# KiCad board data-center-rdimm-ddr5-tester.kicad_pcb (continued)
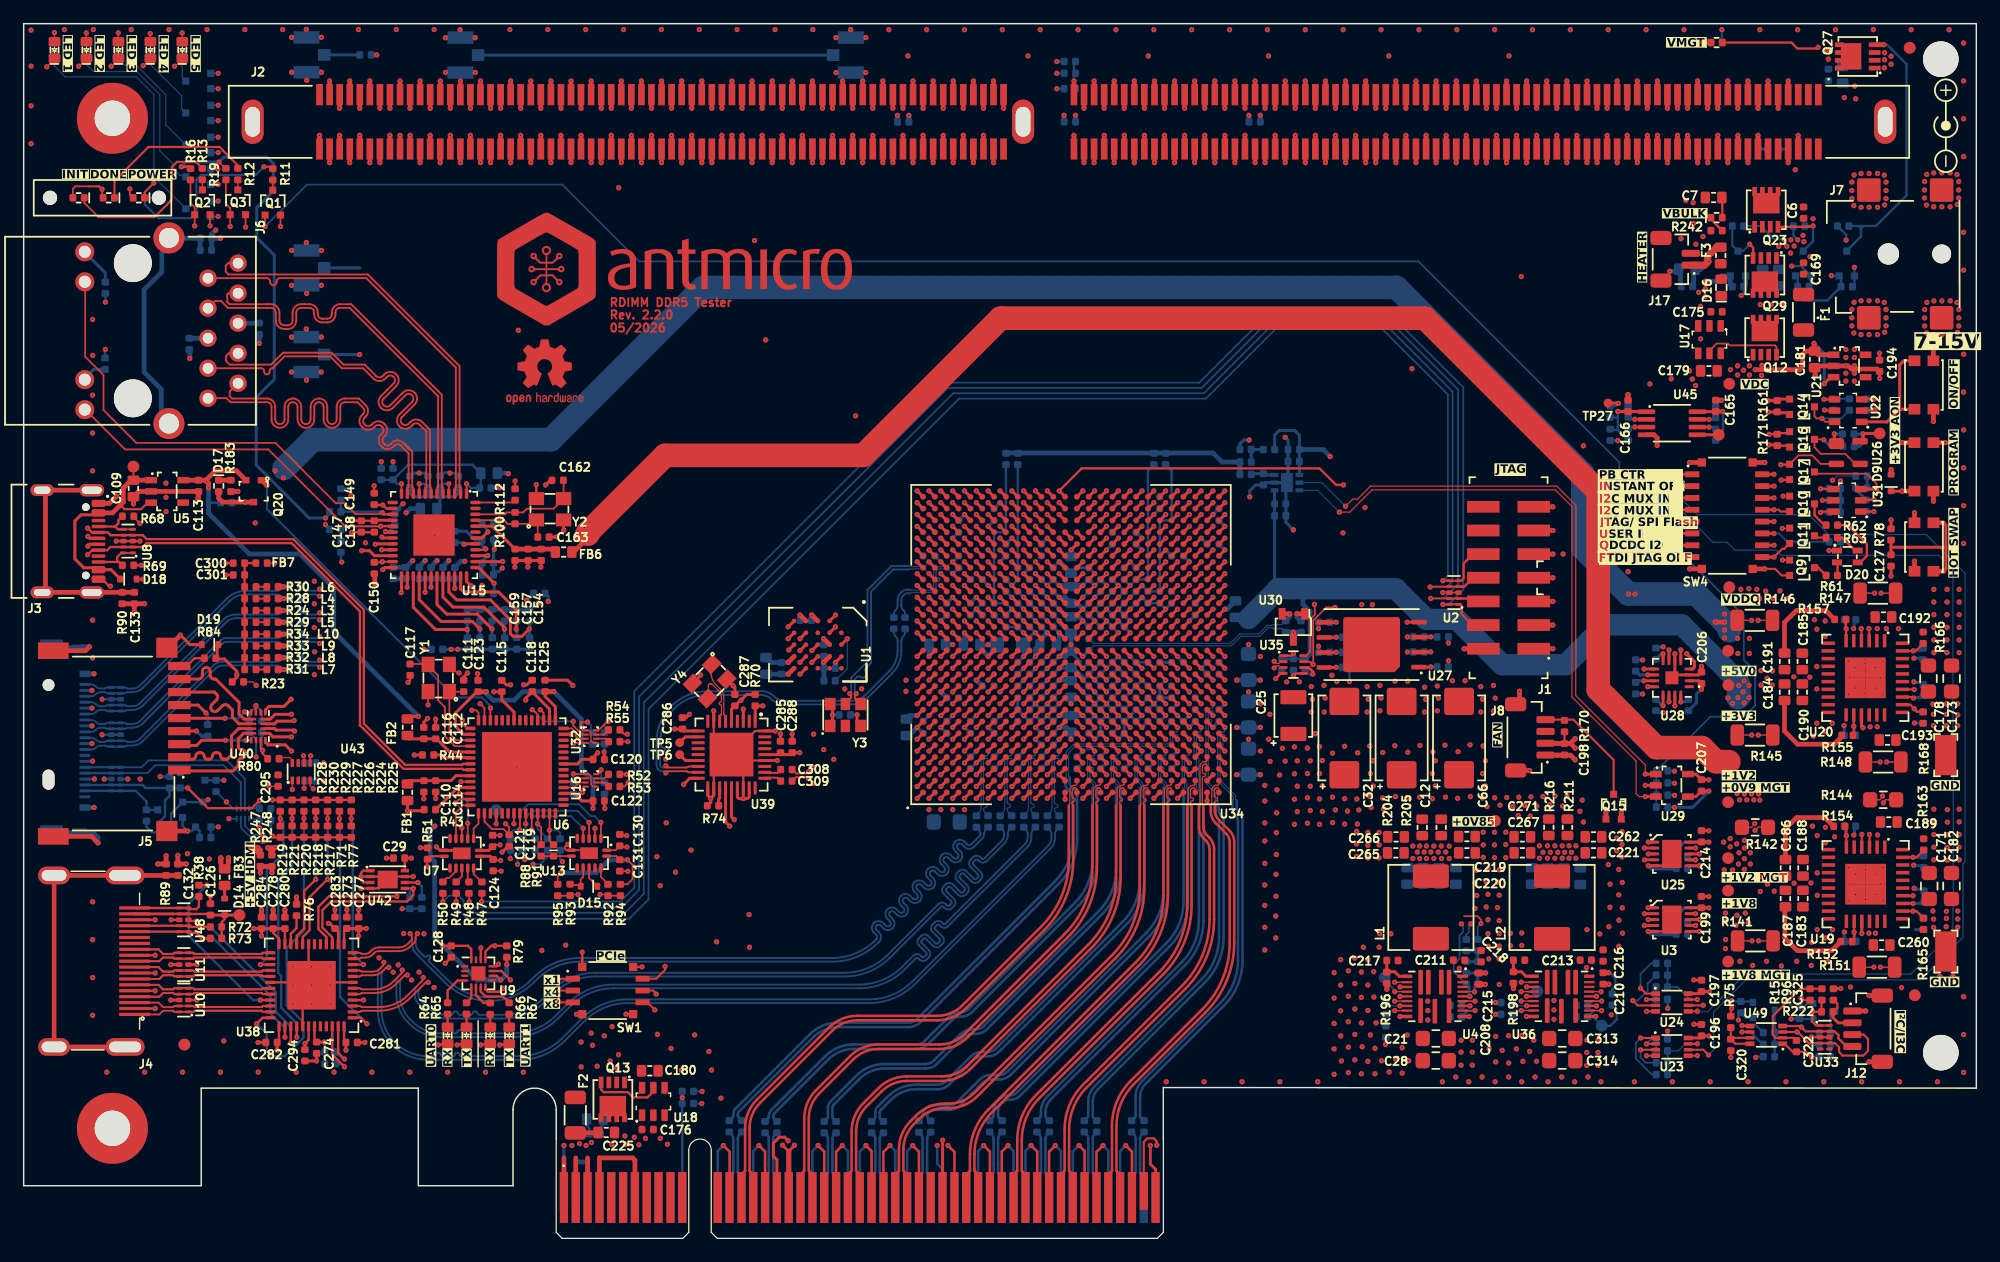
[diagram p0: board, top side]
## Placement (name value [footprint] x y rotation side) (continued)
C307  C_100n_0402  [C_0402_1005Metric]  22.95 51.09 0 bottom
C308  C_100n_0402  [C_0402_1005Metric]  64.45 39.64 0 top
C309  C_100n_0402  [C_0402_1005Metric]  64.45 38.67 0 top
C310  C_100n_0402  [C_0402_1005Metric_EIA]  80 43.2 270 bottom
C311  C_100n_0402  [C_0402_1005Metric_EIA]  78 43.2 270 bottom
C312  C_100n_0402  [C_0402_1005Metric_EIA]  76 43.2 270 bottom
C313  C_22u_25V_0805  [C_0805_2012Metric]  130.01 16.9 0 top
C314  C_22u_25V_0805  [C_0805_2012Metric]  130.01 15.03 0 top
C315  C_100n_0402  [C_0402_1005Metric]  74.48 52.01 270 bottom
C316  C_100n_0402  [C_0402_1005Metric]  73.53 52.01 270 bottom
C317  C_100n_0402  [C_0402_1005Metric]  152.5 98.37 90 bottom
C318  C_100n_0402  [C_0402_1005Metric]  147.47 15.36 0 bottom
C319  C_10u_25V_0603  [C_0603_1608Metric]  153.7 98.37 90 bottom
C320  C_100n_0402  [C_0402_1005Metric]  144.25 16.35 270 top
C321  C_100n_0402  [C_0402_1005Metric]  140.55 80.48 0 bottom
C322  C_100n_0402  [C_0402_1005Metric]  149.8 16.25 270 top
C323  C_10u_25V_0603  [C_0603_1608Metric]  140.55 81.93 0 bottom
C324  C_100n_0402  [C_0402_1005Metric]  152.2 15.36 0 bottom
C325  C_100n_0402  [C_0402_1005Metric]  152.92 20.62 270 top
C326  C_10u_25V_0603  [C_0603_1608Metric]  148.32 81.23 90 bottom
C327  C_10u_25V_0603  [C_0603_1608Metric]  146.94 81.23 90 bottom
C328  C_100n_0402  [C_0402_1005Metric]  106.18 62.1 180 bottom
C329  C_10u_6.3V_0402  [C_0402_1005Metric]  106.18 61.1 180 bottom
C330  C_100n_0402  [C_0402_1005Metric]  107.32 65.7 0 bottom
C331  C_10u_6.3V_0402  [C_0402_1005Metric]  107.32 66.7 0 bottom
C332  C_100n_0402  [C_0402_1005Metric]  104.75 64.18 90 bottom
C333  C_100n_0402  [C_0402_1005Metric_EIA]  95 54.2 270 bottom
C334  C_100n_0402  [C_0402_1005Metric_EIA]  94 56.2 90 bottom
C335  C_100n_0402  [C_0402_1005Metric_EIA]  83 55.2 270 bottom
C336  C_100n_0402  [C_0402_1005Metric_EIA]  83 52.18 270 bottom
D1  LED_G_0402_VLMTG1500-GS08  [LED_0402_1005Metric_G]  9.73 87.97 180 top
D2  LED_G_0402_VLMTG1500-GS08  [LED_0402_1005Metric_G]  4.64 87.97 180 top
D3  LED_G_0402_VLMTG1500-GS08  [LED_0402_1005Metric_G]  7.19 87.97 180 top
D4  LED_G_0603_KP-1608CGCK  [LED_0603_1608Metric_G]  13.41 100.47 90 top
D5  LED_G_0603_KP-1608CGCK  [LED_0603_1608Metric_G]  10.71 100.48 90 top
D6  LED_G_0603_KP-1608CGCK  [LED_0603_1608Metric_G]  8 100.47 90 top
D7  LED_G_0603_KP-1608CGCK  [LED_0603_1608Metric_G]  5.31 100.47 90 top
D8  LED_G_0603_KP-1608CGCK  [LED_0603_1608Metric_G]  2.61 100.47 90 top
D9  PESD5V0X1UB  [SOD-523]  157.8 63.88 90 top
D10  LED_G_0603_KP-1608CGCK  [LED_0603_1608Metric_G]  35.82 17.15 90 top
D11  LED_G_0603_KP-1608CGCK  [LED_0603_1608Metric_G]  37.42 17.15 90 top
D12  LED_G_0603_KP-1608CGCK  [LED_0603_1608Metric_G]  39.42 17.15 90 top
D13  LED_G_0603_KP-1608CGCK  [LED_0603_1608Metric_G]  41.02 17.15 90 top
D14  BAT54-02V-G3-08  [SOD-523]  16.98 28.03 90 top
D15  BAT54-02V-G3-08  [SOD-523]  47.77 29.77 180 top
D16  ESDA25P35-1U1M  [QFN-2L_1.6x1x0.55mm]  143.45 80.4 90 top
D17  LED_G_0402_VLMTG1500-GS08  [LED_0402_1005Metric_G]  16.48 63.62 270 top
D18  PESD5V0X1UB  [SOD-523]  8.84 55.74 0 top
D19  PESD5V0X1UB  [SOD-523]  15.75 50.2 180 top
D20  LED_RGY_0606_APTF1616SURKCGKSYKC  [LED_RGY_1.6x1.6mm_APTF1616]  154.1 57.65 0 top
D21  LED_G_0402_VLMTG1500-GS08  [LED_0402_1005Metric_G]  143.05 86.3 0 top
D22  LED_G_0402_VLMTG1500-GS08  [LED_0402_1005Metric_G]  143.05 101.1 0 top
F1  F_4A_1206  [F_1206_3216Metric]  150.4 78.3 270 top
F2  F_4A_1206  [F_1206_3216Metric]  46.61 10.41 90 top
F3  F_1.25A_0603  [F_0603_1608Metric]  143.4 83.1 90 top
FB1  FB_600Z_0.5A_Murata-BLM18AG_0603  [FB_0603_1608Metric]  32.44 37.72 90 top
FB2  FB_600Z_0.5A_Murata-BLM18AG_0603  [FB_0603_1608Metric]  32.44 43.22 270 top
FB3  FB_120Z_2A_Murata-BLM18PG_0603  [FB_0603_1608Metric]  16.98 30.54 270 top
FB4  FB_120Z_2A_Murata-BLM18PG_0603  [FB_0603_1608Metric]  34.21 61.69 0 bottom
FB5  FB_120Z_2A_Murata-BLM18PG_0603  [FB_0603_1608Metric]  39.32 64.69 180 bottom
FB6  FB_120Z_2A_Murata-BLM18PG_0603  [FB_0603_1608Metric]  45.62 58.03 180 top
FB7  FB_120Z_1.3A_Murata-BLM15PD_0402  [FB_0402_1005Metric]  20.1 57.09 180 top
FID1001  -  [Fiducial_1mm_Mask2mm]  13.58 16.38 180 bottom
FID1002  -  [Fiducial_1mm_Mask2mm]  159.8 20.55 180 bottom
FID1003  -  [Fiducial_1mm_Mask2mm]  159.37 100.66 0 bottom
FID1004  -  [Fiducial_1mm_Mask2mm]  13.58 16.38 0 top
FID1005  -  [Fiducial_1mm_Mask2mm]  159.8 20.55 180 top
FID1006  -  [Fiducial_1mm_Mask2mm]  159.37 100.66 0 top
G***  LOGO  [antmicro-logo_scaled_30mm]  55.9 81.81 0 top
H2  Lightpipe_Mentor_1296.2013  [Mech_Lightpipe_Mentor_1296.2013]  7.19 87.97 90 top
J1  -  [PinHeader_2x7_P2mm_SMD_Shrouded_no-locator]  125.47 55.85 90 top  (not fitted)
J2  Bus_DDR5_DDR504111002KQ  [Bus_DDR5_Socket_Amphenol_DDR504111002KQ]  88.32 94.4 180 top
J3  USB-C_GCT_USB4105-GF-A  [USB-C_Receptacle_GCT_USB4105-GF-A]  2.83 58.94 270 top
J4  HDMI-A_WE_685119134923  [HDMI-A_Receptacle_WE_685119134923]  4.14 23.48 90 top
J5  MicroSD_693071020811  [MicroSD_Wurth_693071020811]  5.58 41.83 270 top
J6  RJ45_Abracon_ARJM11B1-502-AB-EW2  [RJ45_ARJM11B1-502-AB-EW2_Horizontal]  18.11 82.45 270 top
J7  -  [BarrelJack_Pin2mm_694106106102]  159.67 83.23 0 top
J8  JST_SH_1x4_BM04B-SRSS-TB-LF-SN  [Conn_JST_SH_1x4_BM04B-SRSS-TB-LF-SN]  127.15 42.36 180 top
J9  U_FL-R-SMT-1  [Coax_Conn_U.FL]  23.9 82.04 270 bottom
J10  -  [PCB-Edge_PCIexpress_x8]  45.65 3.45 0 top
J11  -  [I-PEX_CABLINE-VS_1x20_20455-A20E-76]  3.37 42.08 90 bottom
J12  JST_SH_1x4_BM04B-SRSS-TB-LF-SN  [Conn_JST_SH_1x4_BM04B-SRSS-TB-LF-SN]  155.97 17.72 0 top
J13  U_FL-R-SMT-1  [Coax_Conn_U.FL]  23.89 74.71 270 bottom
J14  U_FL-R-SMT-1  [Coax_Conn_U.FL]  23.9 100.05 270 bottom
J15  U_FL-R-SMT-1  [Coax_Conn_U.FL]  69.9 100.05 90 bottom
J16  U_FL-R-SMT-1  [Coax_Conn_U.FL]  36.9 100.03 270 bottom
J17  JST_SH_1x2_BM02B-SRSS-TB-LF-SN  [Conn_JST_SH_1x2_BM02B-SRSS-TB-LF-SN]  139.55 82.78 180 top
L1  L_150n_30A_WE-HCM-7050  [L_WE-HCM-7050]  118.91 27.98 90 top
L2  L_150n_30A_WE-HCM-7050  [L_WE-HCM-7050]  129.15 27.97 90 top
L3  L_20n_0.35A_0402  [L_0402_1005Metric]  21.03 53.09 180 top
L4  L_20n_0.35A_0402  [L_0402_1005Metric]  21.03 54.09 180 top
L5  L_20n_0.35A_0402  [L_0402_1005Metric]  21.03 52.09 180 top
L6  L_20n_0.35A_0402  [L_0402_1005Metric]  21.03 55.09 180 top
L7  L_20n_0.35A_0402  [L_0402_1005Metric]  21.03 48.09 180 top
L8  L_20n_0.35A_0402  [L_0402_1005Metric]  21.03 49.09 180 top
L9  L_20n_0.35A_0402  [L_0402_1005Metric]  21.03 50.09 180 top
L10  L_20n_0.35A_0402  [L_0402_1005Metric]  21.03 51.09 180 top
MP1  -  [MP_Pad6mm_Drill3mm]  7.5 94.7 0 top
MP2  -  [MP_Pad6mm_Drill3mm]  7.5 9.3 0 top
MP3  -  [MP_NPTH_Drill3mm]  162 15.7 0 top
MP4  -  [MP_NPTH_Drill3mm]  162 99.7 0 top
NT1  Net-Tie_P0.127mm  [NetTie-2_SMD_Pad0.127mm]  146.88 25.15 0 top
NT2  Net-Tie_P0.127mm  [NetTie-2_SMD_Pad0.127mm]  146.69 34.75 0 top
NT3  Net-Tie_P0.127mm  [NetTie-2_SMD_Pad0.127mm]  157.45 37.08 0 top
NT4  Net-Tie_P0.127mm  [NetTie-2_SMD_Pad0.127mm]  157.17 22.92 0 top
NT5  Net-Tie_P0.127mm  [NetTie-2_SMD_Pad0.127mm]  146.88 42.55 0 top
NT6  Net-Tie_P0.127mm  [NetTie-2_SMD_Pad0.127mm]  146.89 52.25 0 top
NT7  Net-Tie_P0.127mm  [NetTie-2_SMD_Pad0.127mm]  157.27 54.55 0 top
NT8  Net-Tie_P0.127mm  [NetTie-2_SMD_Pad0.127mm]  157.73 40.28 0 top
NT9  Net-Tie_P0.127mm  [NetTie-2_SMD_Pad0.127mm]  145.76 25.15 180 top
NT10  Net-Tie_P0.127mm  [NetTie-2_SMD_Pad0.127mm]  145.87 34.75 180 top
NT11  Net-Tie_P0.127mm  [NetTie-2_SMD_Pad0.127mm]  156.72 37.08 180 top
NT12  Net-Tie_P0.127mm  [NetTie-2_SMD_Pad0.127mm]  156.06 22.92 180 top
NT13  Net-Tie_P0.127mm  [NetTie-2_SMD_Pad0.127mm]  145.72 42.55 180 top
NT14  Net-Tie_P0.127mm  [NetTie-2_SMD_Pad0.127mm]  145.66 52.25 180 top
NT15  Net-Tie_P0.127mm  [NetTie-2_SMD_Pad0.127mm]  156.11 54.55 180 top
NT16  Net-Tie_P0.127mm  [NetTie-2_SMD_Pad0.127mm]  156.57 40.28 180 top
Q1  BSS138PW  [SC70-3]  21.05 87.57 90 top
Q2  BSS138PW  [SC70-3]  15.1 87.6 90 top
Q3  BSS138PW  [SC70-3]  18.1 87.6 90 top
Q4  BSS138PW  [SC70-3]  14.75 97.85 180 bottom
Q5  BSS138PW  [SC70-3]  14.75 95.15 180 bottom
Q6  BSS138PW  [SC70-3]  14.75 92.45 180 bottom
Q7  BSS138PW  [SC70-3]  14.75 89.75 180 bottom
Q8  BSS138PW  [SC70-3]  14.75 87.05 180 bottom
Q9  BSS138PW  [SC70-3]  150.27 56.7 0 top
Q10  BSS138PW  [SC70-3]  150.27 62.1 0 top
Q11  BSS138PW  [SC70-3]  150.27 59.4 0 top
Q12  SI7613DN-T1-GE3  [Vishay_PowerPAK_1212-8_Single]  147.13 76.15 90 top
Q13  SI7613DN-T1-GE3  [Vishay_PowerPAK_1212-8_Single]  49.78 11.74 270 top
Q14  BSS138PW  [SC70-3]  150.27 70.31 0 top
Q15  BSS138PW  [SC70-3]  134.35 36.5 90 top
Q16  BSS138PW  [SC70-3]  150.27 67.55 0 top
Q17  BSS138PW  [SC70-3]  150.27 64.8 0 top
Q18  BSS138PW  [SC70-3]  12.38 36.23 180 bottom
Q19  BSS138PW  [SC70-3]  15.17 35.84 90 bottom
Q20  BSS84AKW  [SOT-323]  19.43 63.17 270 top
Q21  BSS138PW  [SC70-3]  14.27 38.73 0 bottom
Q22  BSS84AKW  [SOT-323]  147.05 19.3 0 bottom
Q23  SI7613DN-T1-GE3  [Vishay_PowerPAK_1212-8_Single]  147.25 86.96 90 top
Q24  BSS84AKW  [SOT-323]  152.15 19.2 0 bottom
Q25  BSS138PW  [SC70-3]  150.38 82.42 90 bottom
Q26  BSS138PW  [SC70-3]  154.05 82.42 90 bottom
Q27  SI7613DN-T1-GE3  [Vishay_PowerPAK_1212-8_Single]  154.98 99.93 180 top
Q28  BSS138PW  [SC70-3]  144.86 82.42 90 bottom
Q29  SI7613DN-T1-GE3  [Vishay_PowerPAK_1212-8_Single]  147.13 81.45 270 top
R1  R_10k_0402  [R_0402_1005Metric]  68.1 48.2 0 bottom
R2  R_10k_0402  [R_0402_1005Metric]  68.1 47.15 0 bottom
R3  R_2k2_0402  [R_0402_1005Metric]  119.91 48.31 180 bottom
R4  R_4k7_0402  [R_0402_1005Metric]  111.91 49.55 180 bottom
R5  R_4k7_0402  [R_0402_1005Metric]  119.91 50.85 180 bottom
R6  R_22R_0402  [R_0402_1005Metric]  109.89 52.09 180 bottom
R7  R_22R_0402  [R_0402_1005Metric]  117.89 49.58 180 bottom
R8  R_22R_0402  [R_0402_1005Metric]  117.89 50.85 180 bottom
R9  R_22R_0402  [R_0402_1005Metric]  109.89 49.55 180 bottom
R10  R_100R_0402  [R_0402_1005Metric]  111.91 50.82 0 bottom  (not fitted)
R11  R_330R_0402  [R_0402_1005Metric]  21.05 89.96 270 top
R12  R_330R_0402  [R_0402_1005Metric]  18.1 89.98 270 top
R13  R_330R_0402  [R_0402_1005Metric]  15.1 89.98 270 top
R14  R_10k_0402  [R_0402_1005Metric_EIA]  100.5 48.7 180 bottom
R15  R_0R_0402  [R_0402_1005Metric]  150.95 20.62 270 top
R16  R_4k7_0402  [R_0402_1005Metric]  14.1 89.97 270 top
R17  R_10k_0402  [R_0402_1005Metric_EIA]  97 46.2 270 bottom
R18  R_4k7_0402  [R_0402_1005Metric_EIA]  96.51 44.7 0 bottom
R19  R_330R_0402  [R_0402_1005Metric]  17.09 89.98 270 top
R20  R_4k7_0402  [R_0402_1005Metric]  108.28 48.51 270 bottom
R21  R_100R_0402  [R_0402_1005Metric_EIA]  95.5 45.7 180 bottom
R22  R_100R_0402  [R_0402_1005Metric_EIA]  94 46.2 90 bottom  (not fitted)
R23  R_10k_0402  [R_0402_1005Metric]  18.1 47.05 0 top
R24  R_49k9_0402  [R_0402_1005Metric]  19.15 53.09 180 top
R25  R_47k_0402  [R_0402_1005Metric]  88.4 99.5 180 bottom
R26  R_0R_0402  [R_0402_1005Metric]  88.4 98.5 0 bottom  (not fitted)
R27  R_0R_0402  [R_0402_1005Metric]  88.4 97.2 180 bottom
R28  R_49k9_0402  [R_0402_1005Metric]  19.15 54.09 180 top
R29  R_49k9_0402  [R_0402_1005Metric]  19.15 52.09 180 top
R30  R_49k9_0402  [R_0402_1005Metric]  19.15 55.09 180 top
R31  R_49k9_0402  [R_0402_1005Metric]  19.15 48.09 180 top
R32  R_49k9_0402  [R_0402_1005Metric]  19.15 49.09 180 top
R33  R_49k9_0402  [R_0402_1005Metric]  19.15 50.09 180 top
R34  R_49k9_0402  [R_0402_1005Metric]  19.15 51.09 180 top
R35  R_100R_0402  [R_0402_1005Metric_EIA]  79 57.19 270 bottom
R36  R_100R_0402  [R_0402_1005Metric_EIA]  99 45.2 270 bottom
R37  R_100R_0402  [R_0402_1005Metric_EIA]  95.5 48.7 0 bottom  (not fitted)
R38  R_0R_0402  [R_0402_1005Metric]  14.81 29.38 270 top
R39  R_4k7_0402  [R_0402_1005Metric]  106.32 48.51 270 bottom
R40  R_330R_0402  [R_0402_1005Metric]  13.4 100.6 270 bottom
R41  R_330R_0402  [R_0402_1005Metric]  10.7 100.6 270 bottom
R42  R_330R_0402  [R_0402_1005Metric]  8 100.6 270 bottom
R43  R_10k_0402  [R_0402_1005Metric]  34.32 36.25 0 top
R44  R_12k_0402  [R_0402_1005Metric]  34.18 40.87 0 top
R45  R_330R_0402  [R_0402_1005Metric]  5.3 100.6 270 bottom
R46  R_330R_0402  [R_0402_1005Metric]  2.6 100.6 270 bottom
R47  R_22R_0402  [R_0402_1005Metric]  38.72 29.65 270 top
R48  R_22R_0402  [R_0402_1005Metric]  37.62 29.65 270 top
R49  R_22R_0402  [R_0402_1005Metric]  36.55 29.65 270 top
R50  R_22R_0402  [R_0402_1005Metric]  35.42 29.65 270 top
R51  R_47k_0402  [R_0402_1005Metric]  34.12 32.54 90 top
R52  R_22R_0402  [R_0402_1005Metric]  49.9 39.23 0 top
R53  R_22R_0402  [R_0402_1005Metric]  49.9 38.21 0 top
R54  R_22R_0402  [R_0402_1005Metric]  49.9 42.99 0 top
R55  R_22R_0402  [R_0402_1005Metric]  49.9 41.99 0 top
R56  R_22R_0402  [R_0402_1005Metric]  41.12 33.3 270 bottom  (not fitted)
R57  R_22R_0402  [R_0402_1005Metric]  42.17 33.3 270 bottom  (not fitted)
R58  R_22R_0402  [R_0402_1005Metric]  43.22 33.3 270 bottom  (not fitted)
R59  R_22R_0402  [R_0402_1005Metric]  44.27 33.3 270 bottom  (not fitted)
R60  R_22R_0402  [R_0402_1005Metric]  45.32 33.3 270 bottom  (not fitted)
R61  R_330R_0402  [R_0402_1005Metric]  152.78 56.05 180 top
R62  R_330R_0402  [R_0402_1005Metric]  152.78 60.3 180 top
R63  R_330R_0402  [R_0402_1005Metric]  152.78 59.25 180 top
R64  R_330R_0402  [R_0402_1005Metric]  35.82 19.44 90 top
R65  R_330R_0402  [R_0402_1005Metric]  37.42 19.44 90 top
R66  R_330R_0402  [R_0402_1005Metric]  39.42 19.42 90 top
R67  R_330R_0402  [R_0402_1005Metric]  41.02 19.44 90 top
R68  R_5k11_0402  [R_0402_1005Metric]  8.82 61.05 180 top
R69  R_5k11_0402  [R_0402_1005Metric]  8.82 56.9 0 top
R70  R_4k7_0402  [R_0402_1005Metric]  61.81 45.5 90 top
R71  R_64k9_0402  [R_0402_1005Metric]  26.68 34.39 90 top  (not fitted)
R72  R_2k2_0402  [R_0402_1005Metric]  16.26 26.33 0 top
R73  R_2k2_0402  [R_0402_1005Metric]  16.26 25.36 0 top
R74  R_4k7_0402  [R_0402_1005Metric]  58.25 36.58 0 top
R75  R_200k_0402  [R_0402_1005Metric]  144.25 18.3 90 top
R76  R_6k49_0402  [R_0402_1005Metric]  23.06 27.76 270 top
R77  R_64k9_0402  [R_0402_1005Metric]  27.68 34.39 90 top
R78  R_4k7_0402  [R_0402_1005Metric]  157.79 59.51 270 top
R79  R_10k_0402  [R_0402_1005Metric]  40.82 24.25 90 top
R80  R_10k_0402  [R_0402_1005Metric]  21.1 40.55 180 top
R81  R_1k_0402  [R_0402_1005Metric]  10.38 35.75 270 bottom
R82  R_1k_0402  [R_0402_1005Metric]  11.98 34.33 180 bottom
R83  R_100k_0402  [R_0402_1005Metric]  15.34 33.88 0 bottom
R84  R_330R_0402  [R_0402_1005Metric]  15.75 49.05 180 top
R85  R_10k_0402  [R_0402_1005Metric]  12.33 38.56 270 bottom
R86  R_10k_0402  [R_0402_1005Metric]  16.26 38.25 270 bottom
R87  R_330R_0402  [R_0402_1005Metric]  153.04 58.9 0 bottom
R88  R_0R_0402  [R_0402_1005Metric]  43.72 32.8 90 top
R89  R_330R_0402  [R_0402_1005Metric]  12.04 31.17 270 top
R90  R_330R_0402  [R_0402_1005Metric]  8.32 54.14 90 top
R91  R_0R_0402  [R_0402_1005Metric]  44.77 32.8 270 top  (not fitted)
R92  R_0R_0402  [R_0402_1005Metric]  49.37 29.45 270 top
R93  R_0R_0402  [R_0402_1005Metric]  46.17 29.47 90 top
R94  R_4k7_0402  [R_0402_1005Metric]  50.42 29.45 270 top
R95  R_4k7_0402  [R_0402_1005Metric]  45.12 29.45 270 top
R96  R_0R_0402  [R_0402_1005Metric]  151.95 20.62 270 top  (not fitted)
R97  R_4k7_0402  [R_0402_1005Metric]  147.47 16.4 0 bottom
R98  R_220R_0402  [R_0402_1005Metric]  6.87 73.95 90 bottom
R99  R_220R_0402  [R_0402_1005Metric]  6.89 80.36 270 bottom
R100  R_1M8_0402  [R_0402_1005Metric]  41.53 60.89 90 top
R101  R_10k_0402  [R_0402_1005Metric]  40.62 52.67 90 bottom  (not fitted)
R102  R_10k_0402  [R_0402_1005Metric]  39.57 52.67 90 bottom  (not fitted)
R103  R_10k_0402  [R_0402_1005Metric]  38.55 52.67 90 bottom
R104  R_10k_0402  [R_0402_1005Metric]  37.5 52.67 90 bottom
R105  R_10k_0402  [R_0402_1005Metric]  42.75 52.65 90 bottom  (not fitted)
R106  R_10k_0402  [R_0402_1005Metric]  41.65 52.67 90 bottom  (not fitted)
R107  R_10k_0402  [R_0402_1005Metric]  36.43 59.3 90 bottom
R108  R_10k_0402  [R_0402_1005Metric]  26.33 61.44 180 bottom
R109  R_10k_0402  [R_0402_1005Metric]  26.33 59.94 180 bottom
R110  R_1k_0402  [R_0402_1005Metric]  39.22 54.53 180 bottom
R111  R_10k_0402  [R_0402_1005Metric]  39.22 60.45 0 bottom
R112  R_12k1_0402  [R_0402_1005Metric]  41.53 62.89 270 top
R113  R_2k2_0402  [R_0402_1005Metric]  40.65 50.3 270 bottom
R114  R_2k2_0402  [R_0402_1005Metric]  39.6 50.3 270 bottom
R115  R_2k2_0402  [R_0402_1005Metric]  38.55 50.3 270 bottom  (not fitted)
R116  R_2k2_0402  [R_0402_1005Metric]  37.5 50.3 270 bottom  (not fitted)
R117  R_2k2_0402  [R_0402_1005Metric]  42.75 50.3 270 bottom
R118  R_2k2_0402  [R_0402_1005Metric]  41.68 50.3 270 bottom
R119  R_2k2_0402  [R_0402_1005Metric]  35.38 59.3 90 bottom  (not fitted)
R120  R_2k2_0402  [R_0402_1005Metric]  26.81 62.9 90 bottom  (not fitted)
R121  R_2k2_0402  [R_0402_1005Metric]  26.81 58.49 270 bottom  (not fitted)
R122  R_4k7_0402  [R_0402_1005Metric]  142.97 69.84 270 bottom
R123  R_4k7_0402  [R_0402_1005Metric]  142.97 67.94 90 bottom
R124  R_4k7_0402  [R_0402_1005Metric]  135.59 67.94 90 bottom
R125  R_4k7_0402  [R_0402_1005Metric]  135.58 69.89 270 bottom
R126  R_0R_0402  [R_0402_1005Metric]  134.05 69.89 270 bottom  (not fitted)
R127  R_0R_0402  [R_0402_1005Metric]  134.06 67.94 270 bottom
R128  R_10k_0402  [R_0402_1005Metric]  147.84 92.07 0 bottom
R129  R_1k_0402  [R_0402_1005Metric_EIA]  96 54.2 90 bottom  (not fitted)
R130  R_1k_0402  [R_0402_1005Metric_EIA]  93 56.2 270 bottom  (not fitted)
R131  R_1k_0402  [R_0402_1005Metric_EIA]  84.5 56.7 180 bottom  (not fitted)
R132  R_1k_0402  [R_0402_1005Metric_EIA]  81.5 53.7 0 bottom  (not fitted)
R133  R_240R_0402  [R_0402_1005Metric_EIA]  101 61.2 90 bottom
R134  R_240R_0402  [R_0402_1005Metric_EIA]  94 59.2 90 bottom
R135  R_47k_0402  [R_0402_1005Metric]  138.44 36.46 0 bottom
R136  R_0R_0402  [R_0402_1005Metric]  138.45 37.47 0 bottom
R137  R_0R_0402  [R_0402_1005Metric]  138.45 38.5 0 bottom
R138  R_0R_0402  [R_0402_1005Metric]  138.45 39.52 0 bottom
R139  R_47k_0402  [R_0402_1005Metric]  138.77 62.6 180 bottom
R140  R_47k_0402  [R_0402_1005Metric]  138.78 61.55 180 bottom
R141  R_0R01_1206  [R_1206_3216Metric]  146.32 25.15 180 top
R142  R_0R002_0805  [R_0805_2012Metric]  146.3 34.75 180 top
R143  R_47k_0402  [R_0402_1005Metric]  140.12 26.72 180 bottom
R144  R_0R002_0805  [R_0805_2012Metric]  157.12 37.08 180 top
R145  R_0R01_1206  [R_1206_3216Metric]  146.3 42.55 180 top
R146  R_0R01_1206  [R_1206_3216Metric]  146.28 52.25 180 top
R147  R_0R01_1206  [R_1206_3216Metric]  156.68 54.55 180 top
R148  R_0R01_1206  [R_1206_3216Metric]  157.12 40.28 180 top
R149  R_47k_0402  [R_0402_1005Metric]  154.27 70.5 90 bottom
R150  R_4k7_0402  [R_0402_1005Metric]  138.42 16.85 180 bottom
R151  R_0R01_1206  [R_1206_3216Metric]  156.6 22.92 180 top
R152  R_0R_0402  [R_0402_1005Metric]  154.02 25.09 180 top
R153  R_0R_0402  [R_0402_1005Metric]  154.37 25.1 0 bottom  (not fitted)
R154  R_0R_0402  [R_0402_1005Metric]  153.42 34.84 180 top
R155  R_0R_0402  [R_0402_1005Metric]  154.11 42.53 180 top
R156  R_0R_0402  [R_0402_1005Metric]  154.32 42.53 0 bottom  (not fitted)
R157  R_0R_0402  [R_0402_1005Metric]  153.51 52.33 180 top
R158  R_0R_0402  [R_0402_1005Metric]  154.32 52.3 180 bottom  (not fitted)
R159  R_4k7_0402  [R_0402_1005Metric]  138.42 20.2 180 bottom
R160  R_47k_0402  [R_0402_1005Metric]  152.92 70.5 90 bottom
R161  R_47k_0402  [R_0402_1005Metric]  148.17 70.35 90 top
R162  R_0R_0402  [R_0402_1005Metric]  154.32 34.85 180 bottom  (not fitted)
R163  R_0R_0402  [R_0402_1005Metric]  160.55 33.31 90 top
R164  R_0R_0402  [R_0402_1005Metric]  160.55 31.85 90 bottom  (not fitted)
R165  R_0R_0402  [R_0402_1005Metric]  160.52 26.59 270 top
R166  R_0R_0402  [R_0402_1005Metric]  160.51 50.78 90 top
R167  R_0R_0402  [R_0402_1005Metric]  160.5 49.4 90 bottom  (not fitted)
R168  R_0R_0402  [R_0402_1005Metric]  160.51 44.03 270 top
R169  R_0R_0402  [R_0402_1005Metric]  160.51 44.03 90 bottom  (not fitted)
R170  R_10k_0402  [R_0402_1005Metric]  130.2 43.31 270 top
R171  R_47k_0402  [R_0402_1005Metric]  148.17 67.51 90 top
R172  R_47k_0402  [R_0402_1005Metric]  154.2 66.95 0 bottom
R173  R_47k_0402  [R_0402_1005Metric]  140.68 45.09 270 bottom
R174  R_0R_0402  [R_0402_1005Metric]  138.42 13.85 180 bottom  (not fitted)
R175  R_0R_0402  [R_0402_1005Metric]  138.42 15.85 180 bottom  (not fitted)
R176  R_0R_0402  [R_0402_1005Metric]  138.42 14.85 180 bottom  (not fitted)
R177  R_0R_0402  [R_0402_1005Metric]  138.42 23.25 180 bottom  (not fitted)
R178  R_0R_0402  [R_0402_1005Metric]  138.42 21.25 180 bottom  (not fitted)
R179  R_0R_0402  [R_0402_1005Metric]  138.42 22.25 180 bottom  (not fitted)
R180  R_240R_0402  [R_0402_1005Metric_EIA]  86 58.2 270 bottom
R181  R_0R_0402  [R_0402_1005Metric]  125.32 18.94 0 bottom
R182  R_240R_0402  [R_0402_1005Metric_EIA]  80 53.2 270 bottom
R183  R_330R_0402  [R_0402_1005Metric]  17.52 63.62 270 top
R184  R_47k_0402  [R_0402_1005Metric]  153.04 61.4 0 bottom
R185  R_0R_0402  [R_0402_1005Metric]  125.32 19.94 180 bottom
R186  R_0R_0402  [R_0402_1005Metric]  115.1 19.41 90 bottom  (not fitted)
R187  R_47k_0402  [R_0402_1005Metric]  153.04 62.4 0 bottom
R188  R_47k_0402  [R_0402_1005Metric]  115.1 17.46 90 bottom
R189  R_60k4_0402  [R_0402_1005Metric]  121.03 19.7 0 bottom
R190  R_47k_0402  [R_0402_1005Metric]  153.04 63.4 0 bottom
R191  R_10k_0402  [R_0402_1005Metric]  56.12 11.4 0 bottom  (not fitted)
R192  R_10k_0402  [R_0402_1005Metric]  56.12 12.43 180 bottom  (not fitted)
R193  R_330R_0402  [R_0402_1005Metric]  15.4 83.55 180 bottom
R194  R_100R_0402  [R_0402_1005Metric_EIA]  97.5 48.7 0 bottom
R195  R_60k4_0402  [R_0402_1005Metric]  131.69 19.7 0 bottom
R196  R_10R_0402  [R_0402_1005Metric]  115.18 22.03 270 top
R197  R_4k99_0402  [R_0402_1005Metric]  121.03 18.73 0 bottom
R198  R_10R_0402  [R_0402_1005Metric]  125.88 22.05 270 top
R199  R_15k_0402  [R_0402_1005Metric]  131.69 18.73 0 bottom
R200  R_0R_0402  [R_0402_1005Metric]  121.9 24.78 270 bottom
R201  R_3k4_0402  [R_0402_1005Metric]  122.88 22.91 90 bottom
R202  R_8k16_0402  [R_0402_1005Metric]  122.38 21.49 0 bottom
R203  R_0R_0402  [R_0402_1005Metric]  122.88 24.78 90 bottom  (not fitted)
R204  R_0R_22.4A_0603  [R_0603_1608Metric]  118.18 34.74 90 top
R205  R_0R_22.4A_0603  [R_0603_1608Metric]  119.78 34.74 90 top
R206  R_4k7_0402  [R_0402_1005Metric]  155.29 64.45 180 bottom
R207  R_0R_0402  [R_0402_1005Metric]  160.55 26.6 90 bottom  (not fitted)
R208  R_0R_0402  [R_0402_1005Metric]  140.12 25.72 0 bottom  (not fitted)
R209  R_0R_0402  [R_0402_1005Metric]  136.22 46.52 270 bottom
R210  R_47k_0402  [R_0402_1005Metric]  140.12 32.27 180 bottom
R211  R_0R_22.4A_0603  [R_0603_1608Metric]  130.45 34.75 90 top
R212  R_0R_0402  [R_0402_1005Metric]  137.93 45.09 270 bottom
R213  R_0R_0402  [R_0402_1005Metric]  137.93 49.43 90 bottom
R214  R_0R_0402  [R_0402_1005Metric]  136.22 48.44 90 bottom
R215  R_100R_0402  [R_0402_1005Metric]  140.12 31.27 0 bottom
R216  R_0R_22.4A_0603  [R_0603_1608Metric]  128.88 34.75 90 top
R217  R_64k9_0402  [R_0402_1005Metric]  25.68 34.39 90 top  (not fitted)
R218  R_64k9_0402  [R_0402_1005Metric]  24.68 34.39 90 top
R219  R_64k9_0402  [R_0402_1005Metric]  21.68 34.39 90 top
R220  R_64k9_0402  [R_0402_1005Metric]  23.68 34.39 90 top  (not fitted)
R221  R_64k9_0402  [R_0402_1005Metric]  22.68 34.39 90 top  (not fitted)
R222  R_0R_0402  [R_0402_1005Metric]  152.4 19.15 180 top
R223  R_47k_0402  [R_0402_1005Metric]  145.1 19.55 90 bottom
R224  R_64k9_0402  [R_0402_1005Metric]  26.68 36.59 90 top  (not fitted)
R225  R_64k9_0402  [R_0402_1005Metric]  27.68 36.59 90 top  (not fitted)
R226  R_64k9_0402  [R_0402_1005Metric]  25.68 36.59 90 top  (not fitted)
R227  R_64k9_0402  [R_0402_1005Metric]  24.68 36.59 90 top  (not fitted)
R228  R_64k9_0402  [R_0402_1005Metric]  21.68 36.59 90 top  (not fitted)
R229  R_64k9_0402  [R_0402_1005Metric]  23.68 36.59 90 top  (not fitted)
R230  R_64k9_0402  [R_0402_1005Metric]  22.68 36.59 90 top  (not fitted)
R231  R_4k7_0402  [R_0402_1005Metric]  147.47 17.4 0 bottom
R232  R_47k_0402  [R_0402_1005Metric]  150.05 19.05 90 bottom
R233  R_49R9_0402  [R_0402_1005Metric]  28.88 100.06 180 bottom
R234  R_2k2_0402  [R_0402_1005Metric]  32.63 28.35 270 bottom
R235  R_47k_0402  [R_0402_1005Metric]  138.78 59.61 0 bottom
R236  R_2k2_0402  [R_0402_1005Metric]  25.92 14.76 180 bottom
R237  R_2k2_0402  [R_0402_1005Metric]  25.92 15.76 180 bottom
R238  R_47k_0402  [R_0402_1005Metric]  150.03 85.59 180 bottom
R239  R_2k2_0402  [R_0402_1005Metric]  33.64 28.35 270 bottom
R240  R_47k_0402  [R_0402_1005Metric]  150.38 80.47 0 bottom
R241  R_4k7_0402  [R_0402_1005Metric]  152.2 16.35 0 bottom
R242  R_4k7_0402  [R_0402_1005Metric]  143.05 85.2 0 top
R243  R_4k7_0402  [R_0402_1005Metric]  152.2 17.35 0 bottom
R244  R_47k_0402  [R_0402_1005Metric]  153.75 85.59 180 bottom
R245  R_47k_0402  [R_0402_1005Metric]  154.05 80.47 0 bottom
R246  R_330R_0402  [R_0402_1005Metric]  143.05 101.1 180 bottom
R247  R_0R_0402  [R_0402_1005Metric]  20 31.92 90 top  (not fitted)
R248  R_0R_0402  [R_0402_1005Metric]  20.97 31.92 90 top
R249  R_47k_0402  [R_0402_1005Metric]  144.86 85.59 0 bottom
R250  R_47k_0402  [R_0402_1005Metric]  144.86 80.47 0 bottom
R251  R_0R_0402  [R_0402_1005Metric]  17.12 62.2 180 bottom  (not fitted)
R252  R_47k_0402  [R_0402_1005Metric]  134.25 20.19 90 bottom
R253  R_1k_0402  [R_0402_1005Metric]  105.23 66.7 0 bottom
R254  R_1k_0402  [R_0402_1005Metric]  103.25 66.7 0 bottom
R255  R_0R_0402  [R_0402_1005Metric]  103.25 64.6 180 bottom
R256  R_0R_0402  [R_0402_1005Metric]  103.25 65.64 180 bottom  (not fitted)
R257  R_0R_0402  [R_0402_1005Metric]  96.5 65.9 90 bottom
R258  R_0R_0402  [R_0402_1005Metric]  95.5 65.9 90 bottom
R259  R_0R_0402  [R_0402_1005Metric]  84 65.9 90 bottom
R260  R_0R_0402  [R_0402_1005Metric]  83 65.9 90 bottom
REF**  -  [OSHW-Logo2_7.3x6mm_Copper_Mask]  44.03 73.25 0 top
SW1  CVS-03B  [SW_DIP_SPSTx03_Slide_Copal_CVS-03xB_W5.9mm_P1mm]  49.3 20.95 0 top
SW2  -  [SW_KMR211NGLFS_SMD]  160.57 65.22 90 top
SW3  -  [SW_KMR211NGLFS_SMD]  160.57 58.45 90 top
SW4  SW_CVS-08TB  [SW_DIP_SPSTx08_Slide_Copal_CVS-08xB_W5.9mm_P1mm]  143.95 61.1 0 top
SW5  -  [SW_KMR211NGLFS_SMD]  160.57 72.15 270 top
TP1  TP_1mm_SMD  [TP_SMD_1mm]  39.92 36.2 270 bottom
TP2  TP_1mm_SMD  [TP_SMD_1mm]  18.23 27.33 0 top
TP3  Net-Tie_P0.127mm  [NetTie-2_SMD_Pad0.127mm]  105.82 51.9 180 bottom
TP4  Net-Tie_P0.127mm  [NetTie-2_SMD_Pad0.127mm]  105.82 51.55 180 bottom
TP5  TP_0.75mm_SMD  [TP_SMD_0.75mm]  55.43 41.91 0 top
TP6  TP_0.75mm_SMD  [TP_SMD_0.75mm]  55.43 40.9 0 top
TP7  TP_1mm_SMD  [TP_SMD_1mm]  143.23 67.94 90 top
TP8  TP_1mm_SMD  [TP_SMD_1mm]  144.02 29.4 0 top
TP9  TP_1mm_SMD  [TP_SMD_1mm]  144.12 55.05 0 top
TP10  TP_1mm_SMD  [TP_SMD_1mm]  115 22.05 90 bottom
TP11  TP_1mm_SMD  [TP_SMD_1mm]  144.03 40.75 0 top
TP12  TP_1mm_SMD  [TP_SMD_1mm]  144.05 46.77 0 top
TP13  TP_1mm_SMD  [TP_SMD_1mm]  144.03 49.67 0 top
TP14  TP_1mm_SMD  [TP_SMD_1mm]  144.02 32.15 180 top
TP15  TP_1mm_SMD  [TP_SMD_1mm]  144.03 36.88 0 top
TP16  TP_1mm_SMD  [TP_SMD_1mm]  144.12 72.25 0 top
TP17  TP_1mm_SMD  [TP_SMD_1mm]  124.32 35.3 0 top
TP18  TP_1mm_SMD  [TP_SMD_1mm]  144.02 23.4 0 top
TP19  TP_1mm_SMD  [TP_SMD_1mm]  156.82 68.05 0 top
TP20  -  [TP_1206_SMD_RCW-0C]  162.42 24.25 90 top
TP21  -  [TP_1206_SMD_RCW-0C]  162.41 40.85 90 top
TP22  TP_1mm_SMD  [TP_SMD_1mm]  9.27 65.25 0 top
TP23  Net-Tie_P0.127mm  [NetTie-2_SMD_Pad0.127mm]  121.63 26.04 90 bottom
TP24  Net-Tie_P0.127mm  [NetTie-2_SMD_Pad0.127mm]  122.13 26.04 90 bottom
TP25  TP_1mm_SMD  [TP_SMD_1mm]  127.9 20.9 90 bottom
TP26  TP_1mm_SMD  [TP_SMD_1mm]  133.35 17.97 90 bottom
TP27  TP_0.75mm_SMD  [TP_SMD_0.75mm]  133.88 70.62 0 top
U1  IS66WVH16M8DALL-166B1LI  [FBGA-25-24_6x8mm_Layout5x5_P1mm]  67.1 50.2 270 top
U2  TPD4E05U06QDQARQ1  [USON-10_2.5x1mm_P0.5mm]  120.86 54.6 180 top
U3  PAC1720-1  [DFN-10-1EP_3x3mm]  139.27 26.95 0 top
U4  MP8796B  [TQFN-25_4x5mm]  119.25 20.45 270 top
U5  NCP718BSN330T1G  [SOT-23-5]  12.12 63.15 0 top
U6  FT4232H_VQFN  [QFN-56-1EP_8x8mm_P0.5mm]  41.68 39.86 0 top
U7  TXU0304BQAR  [DHVQFN-14-1EP_2.5x3mm]  37.02 32.55 270 top
U8  TPD4E05U06QDQARQ1  [USON-10_2.5x1mm_P0.5mm]  8.82 58.95 180 top
U9  SN74HC595B  [X1QFN-16-1EP_2.5x2.5mm]  38.42 22.4 0 top
U10  TPD4E05U06QDQARQ1  [USON-10_2.5x1mm_P0.5mm]  13.53 20.15 180 top
U11  TPD4E05U06QDQARQ1  [USON-10_2.5x1mm_P0.5mm]  13.53 23.15 180 top
U12  MCP4726A0T_DFN  [DFN-6-1EP_2x2mm_P0.65mm_EP1x1.6mm]  106.75 63.9 180 bottom
U13  TXU0304BQAR  [DHVQFN-14-1EP_2.5x3mm]  47.78 32.57 270 top
U15  KSZ9031RNXCA  [QFN-48-1EP_7x7x0.9mm_P0.5mm_EP3.5x3.5mm]  34.68 59.46 270 top
U16  TXS0102DQER  [X2SON8_1.4x1x0.32mm_P0.35mm]  47.93 38.72 0 top
U17  LTC4412IS6  [SOT-23-6]  142.45 76.04 180 top
U18  LTC4412IS6  [SOT-23-6]  53.21 11.51 0 top
U19  MPM54304GMN  [LGA-33_7x7mm_P0.65mm]  155.65 29.94 270 top
U20  MPM54304GMN  [LGA-33_7x7mm_P0.65mm]  155.62 47.39 270 top
U21  NCP718BSN330T1G  [SOT-23-5]  154.29 73.76 0 top
U22  MAX16150A_SOT  [SOT-23-6]  154.22 69.99 90 top
U23  TS5A3359_VSSOP  [VSSOP-8_2.3x2mm_P0.5mm]  139.27 16.2 0 top
U24  TS5A3359_VSSOP  [VSSOP-8_2.3x2mm_P0.5mm]  139.27 19.95 0 top
U25  PAC1720-1  [DFN-10-1EP_3x3mm]  139.27 32.5 0 top
U26  MAX812REUS+T  [SOT-143-4]  154.17 66.44 270 top
U27  W25Q128JWEIQ  [WSON-8_6x8x0.5mm_P1.27mm]  113.9 50.2 180 top
U28  PAC1944T-E  [VQFN-16-1EP_3x3mm_P0.5mm_EP1.1x1.1mm]  139.27 47.39 180 top
U29  AT24CS01_SOT23  [SOT-23-5]  139.27 38.3 0 top
U30  REF3012AIDBZT  [SOT-23-3]  107.29 51.7 270 top
U31  LM3880  [SOT-23-6]  154.14 62.4 90 top
U32  TXS0102DQER  [X2SON8_1.4x1x0.32mm_P0.35mm]  47.93 42.42 0 top
U33  TPD4E05U06QDQARQ1  [USON-10_2.5x1mm_P0.5mm]  152.2 17 0 top
U34  XCAU25P-2FFVB676I  [BGA-676_27x27mm_Layout26x26_P1x1mm_FFVB676]  88.5 50.2 90 top
U35  TMP451AIDQFR  [WSON-8_2x2mm]  107.29 48.51 0 top
U36  MP8796B  [TQFN-25_4x5mm]  129.95 20.46 270 top
U37  TPD4E05U06QDQARQ1  [USON-10_2.5x1mm_P0.5mm]  7.8 45.58 180 bottom
U38  SN65DP159RGZR  [VQFN-48_7x7mm_P0.5mm_EP4.1x4.1mm]  24.33 21.4 180 top
U39  SI5319C-C-GM-ND  [QFN-36-1EP_6x6mm_P0.5mm_EP3.7x3.7mm]  59.81 40.9 270 top
U40  NVT4858_XQFN  [SOT1161-2]  19.82 43.3 180 top
U41  TPD4E05U06QDQARQ1  [USON-10_2.5x1mm_P0.5mm]  7.8 42.58 180 bottom
U42  M24C64-F_DFN8  [DFN-8-1EP_3x2mm_P0.5mm_EP1.36x1.46mm]  30.76 30.34 0 top
U43  TPS2116DRLR  [SOT-583]  23.45 39.45 90 top
U44  TXS0102DQER  [X2SON8_1.4x1x0.32mm_P0.35mm]  18.53 35.91 90 bottom
U45  PCA9517ADP  [TSSOP-8_3x3mm_P0.65mm]  139.27 68.93 0 top
U47  TPD4E05U06QDQARQ1  [USON-10_2.5x1mm_P0.5mm]  7.8 38.83 180 bottom
U48  TPD4E05U06QDQARQ1  [USON-10_2.5x1mm_P0.5mm]  13.53 26.93 180 top
U49  TCA39306_VSSOP  [VSSOP-8_2.3x2mm_P0.5mm]  147.26 17.19 180 top
Y1  Resonator_12MHz_ABM8G  [Resonator_SMD_Abracon_ABM8G_3.2x2.5mm]  35.02 47.33 90 top
Y2  Resonator_25MHz_ABM8G  [Resonator_SMD_Abracon_ABM8G_3.2x2.5mm]  44.43 61.69 0 top
Y3  Oscillator_100MHz_SG3225VAN  [Oscillator_SMD_Epson_SG3225EEN_3.2x2.5x1.2mm]  69.38 44.25 90 top
